# KiCad board IO_SDR_1.1.kicad_pcb (continued)
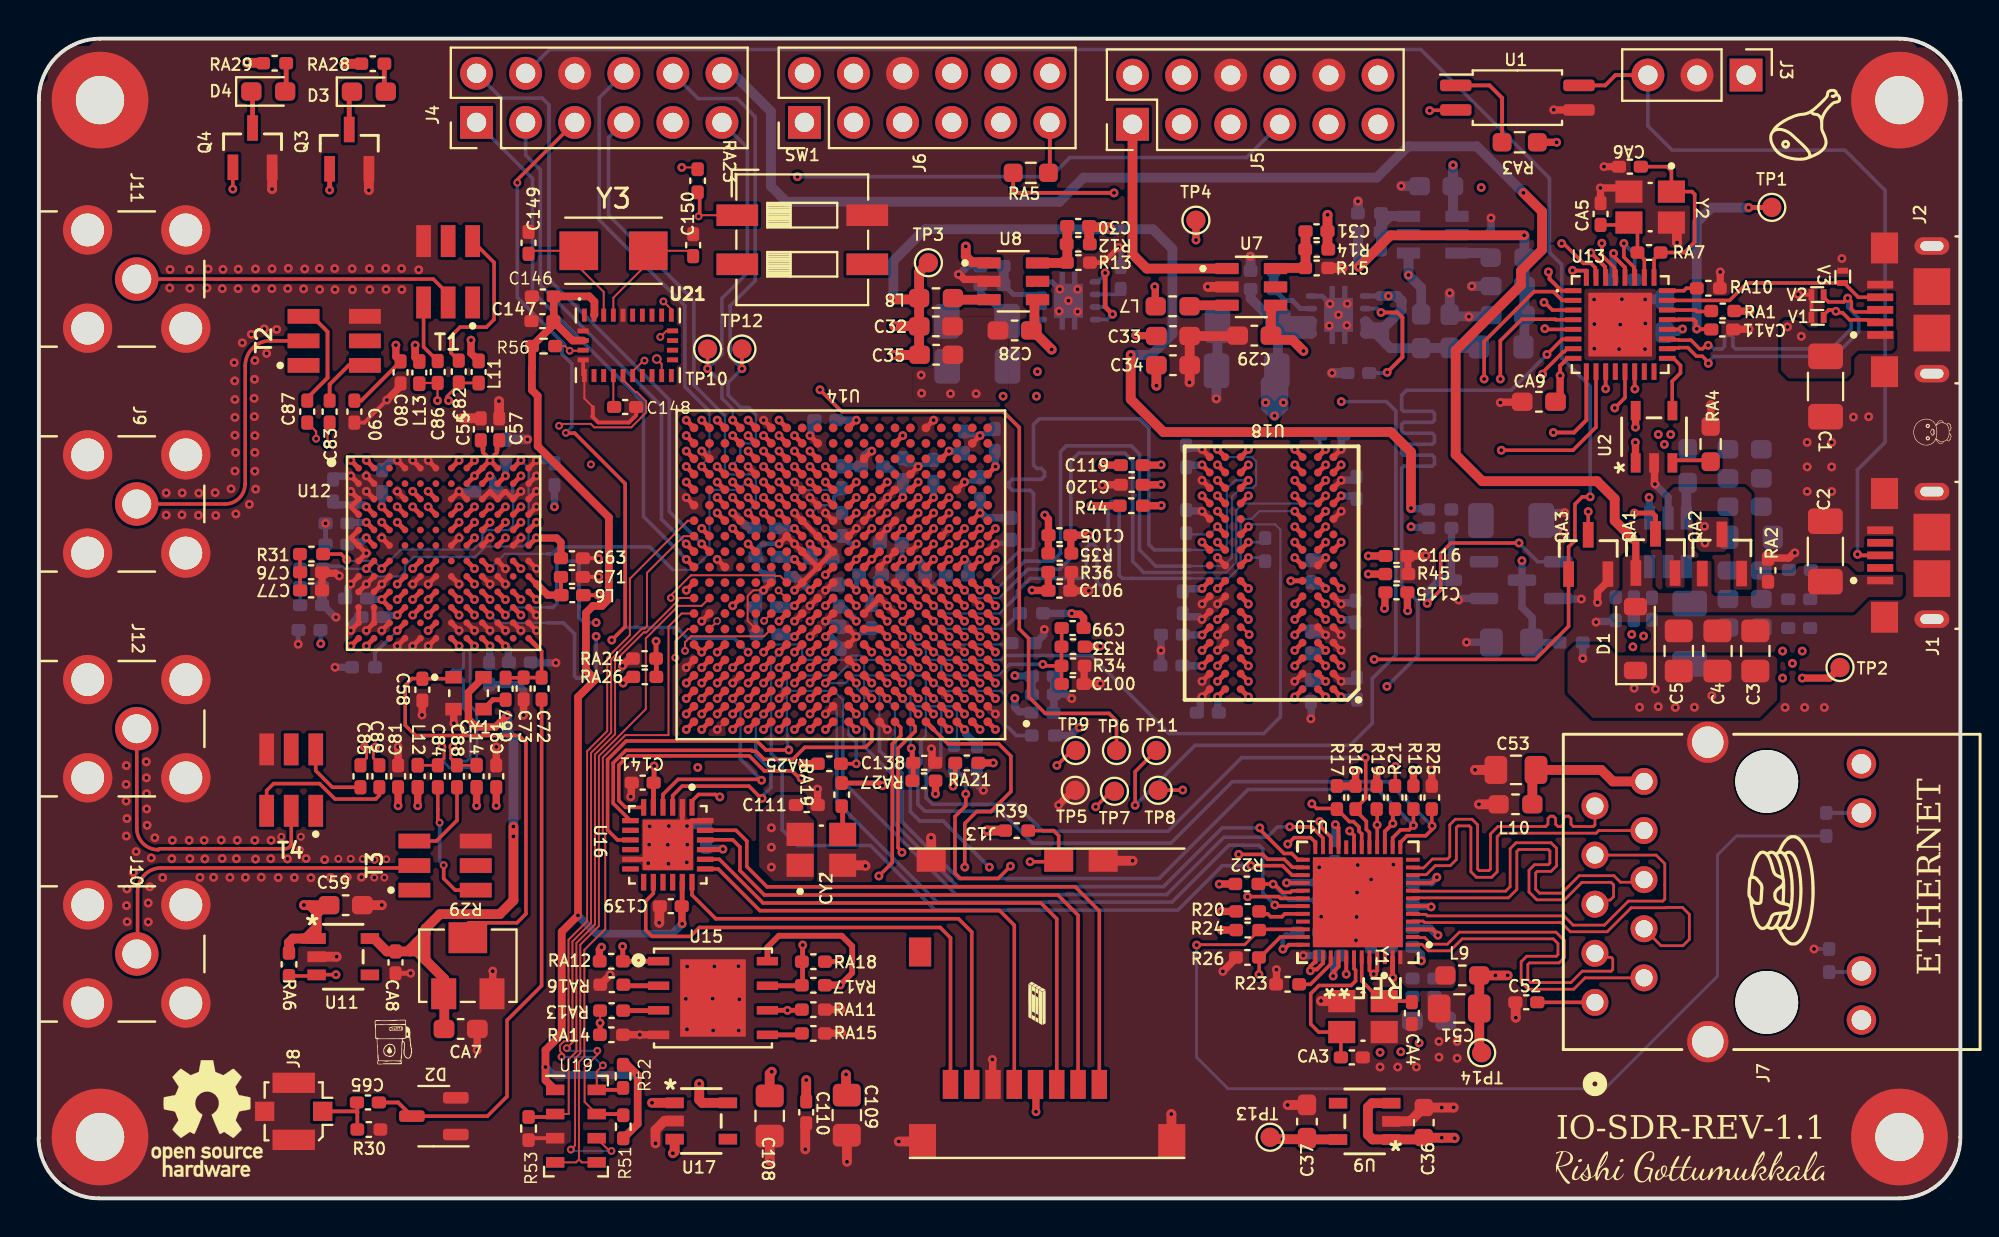
[diagram p0: board, top side]
## Copper pours and planes (outline as drawn; the poured copper is in the pictures) (continued)
GND on Top.Cu, Bottom.Cu, In1.GND1.Cu, In6_GND2.Cu: 3.18,59.87 96.87,59.87 97.22,59.52 97.79,59.52 98.49,58.82 98.52,58.82 98.96,58.38 98.96,57.97 99.4,57.53 99.4,2.44 99.15,2.19 99.15,1.68 98.42,0.95 98.42,0.82 98.12,0.52 97.71,0.52 97.22,0.03 2.47,0.03 2.32,0.18 2.01,0.18 1.33,0.86 1.07,0.86 0.39,1.54 0.39,2.08 0.03,2.44 0.03,57.43 0.47,57.87 0.47,58.6 1.47,59.6 2.61,59.6 2.89,59.88 3.17,59.88
GND on Bottom.Cu: 45.41,46.36 45.21,46.16 45.21,41.44 45.51,41.13 47.42,41.13 47.64,41.36 47.64,46.29 47.57,46.36
VCC on Bottom.Cu: 71.62,8.51 71.85,8.28 71.85,7.58 71.36,7.09 69.01,7.09 68.42,7.68 68.42,13.45 68.52,13.55 70.17,13.55 70.4,13.32 70.4,12.46 70.73,12.13 71.21,12.13 71.44,11.9 71.44,9.84 71.62,9.66
VCC on In3_PWR1.Cu: 67.81,5.67 67,4.86 67,2.63 66.62,2.25 62.02,2.25 59.35,4.91 59.35,19.9 63.72,24.27 95.4,24.27 96.23,23.43 96.23,17 94.91,15.68 78.99,15.68 74.95,11.64 74.95,7.53 73.09,5.67
+12L on In3_PWR1.Cu: 21.49,44.29 16.74,39.53 14.85,39.58 13.68,39.58 12.41,38.31 12.41,27.9 13.94,26.38 29.22,26.38 29.52,26.68 29.52,47.02 30.19,47.69 50.53,47.69 59.15,39.08 64.16,39.08 65.55,40.47 65.55,42.63 55.8,52.38 24.89,52.38 21.49,48.99
/Sheet2/REGOUT on Top.Cu: 71.49,12.84 71.98,12.35 73.07,12.35 73.3,12.13 73.3,11.03 73.15,10.88 70.81,10.88 70.33,11.36 70.33,12.84
/Sheet4/P6 on In3_PWR1.Cu: 52.07,36.25 52.55,35.77 52.55,33.92 51.94,33.31 51.94,31.2 51.68,30.95 50.84,30.95 50.54,31.25 50.54,32.09 50.23,32.39 45.64,32.39 45.32,32.71 45.32,34.84 44.95,35.21 44.95,35.95 45.25,36.25
Net-(C14-Pad1) on Bottom.Cu: 82.26,30.31 82.19,30.24 82.19,29.52 82.01,29.35 82.01,28.36 82.29,28.08 83.15,28.08 83.89,28.81 83.89,30.26 83.84,30.31
Net-(C14-Pad1) on Bottom.Cu: 87.47,40.04 88.06,39.46 88.06,33.61 87.85,33.41 86.81,33.41 86.68,33.54 86.68,37.58 86.2,38.06 83.51,38.06 83.23,38.34 83.23,39.91 83.36,40.04
Net-(C14-Pad1) on In2_Sig1.Cu: 84.91,40.5 85.29,40.12 85.29,28.43 84.65,27.8 81.98,27.8 81.6,28.18 81.6,32.75 82.75,33.89 82.75,40.12 83.13,40.5
Net-(Q2-B) on Bottom.Cu: 75.58,36.54 75.76,36.36 75.76,32.67 75.51,32.42 74.14,32.42 73.78,32.78 73.78,35.01 73.53,35.27 72.69,35.27 72.56,35.39 72.56,36.43 72.66,36.54
Net-(QA1-S) on Top.Cu: 85.16,35.11 85.59,35.54 87.37,35.54 87.7,35.21 87.7,31.56 87.78,31.48 88.59,31.48 88.64,31.53 88.64,36.43 88.28,36.79 84.63,36.79 84.17,36.33 84.17,31.68 84.27,31.58 85.13,31.58 85.16,31.61
Net-(U4-FB/OUT) on Bottom.Cu: 80.97,33.39 80.84,33.26 80.84,30.97 81.22,30.59 83.76,30.59 83.89,30.72 83.89,33.26 83.76,33.39

## Text on the board
B.Silkscreen: POWER ONLY | POWER + USB | TX2 | RX2 | RX1 | TX1 | IO-SDR-REV-1.1 | ETHERNET
F.Silkscreen: IO-SDR-REV-1.1 | ETHERNET
